# Allegro board FMDEMOD-before-back-annote.brd
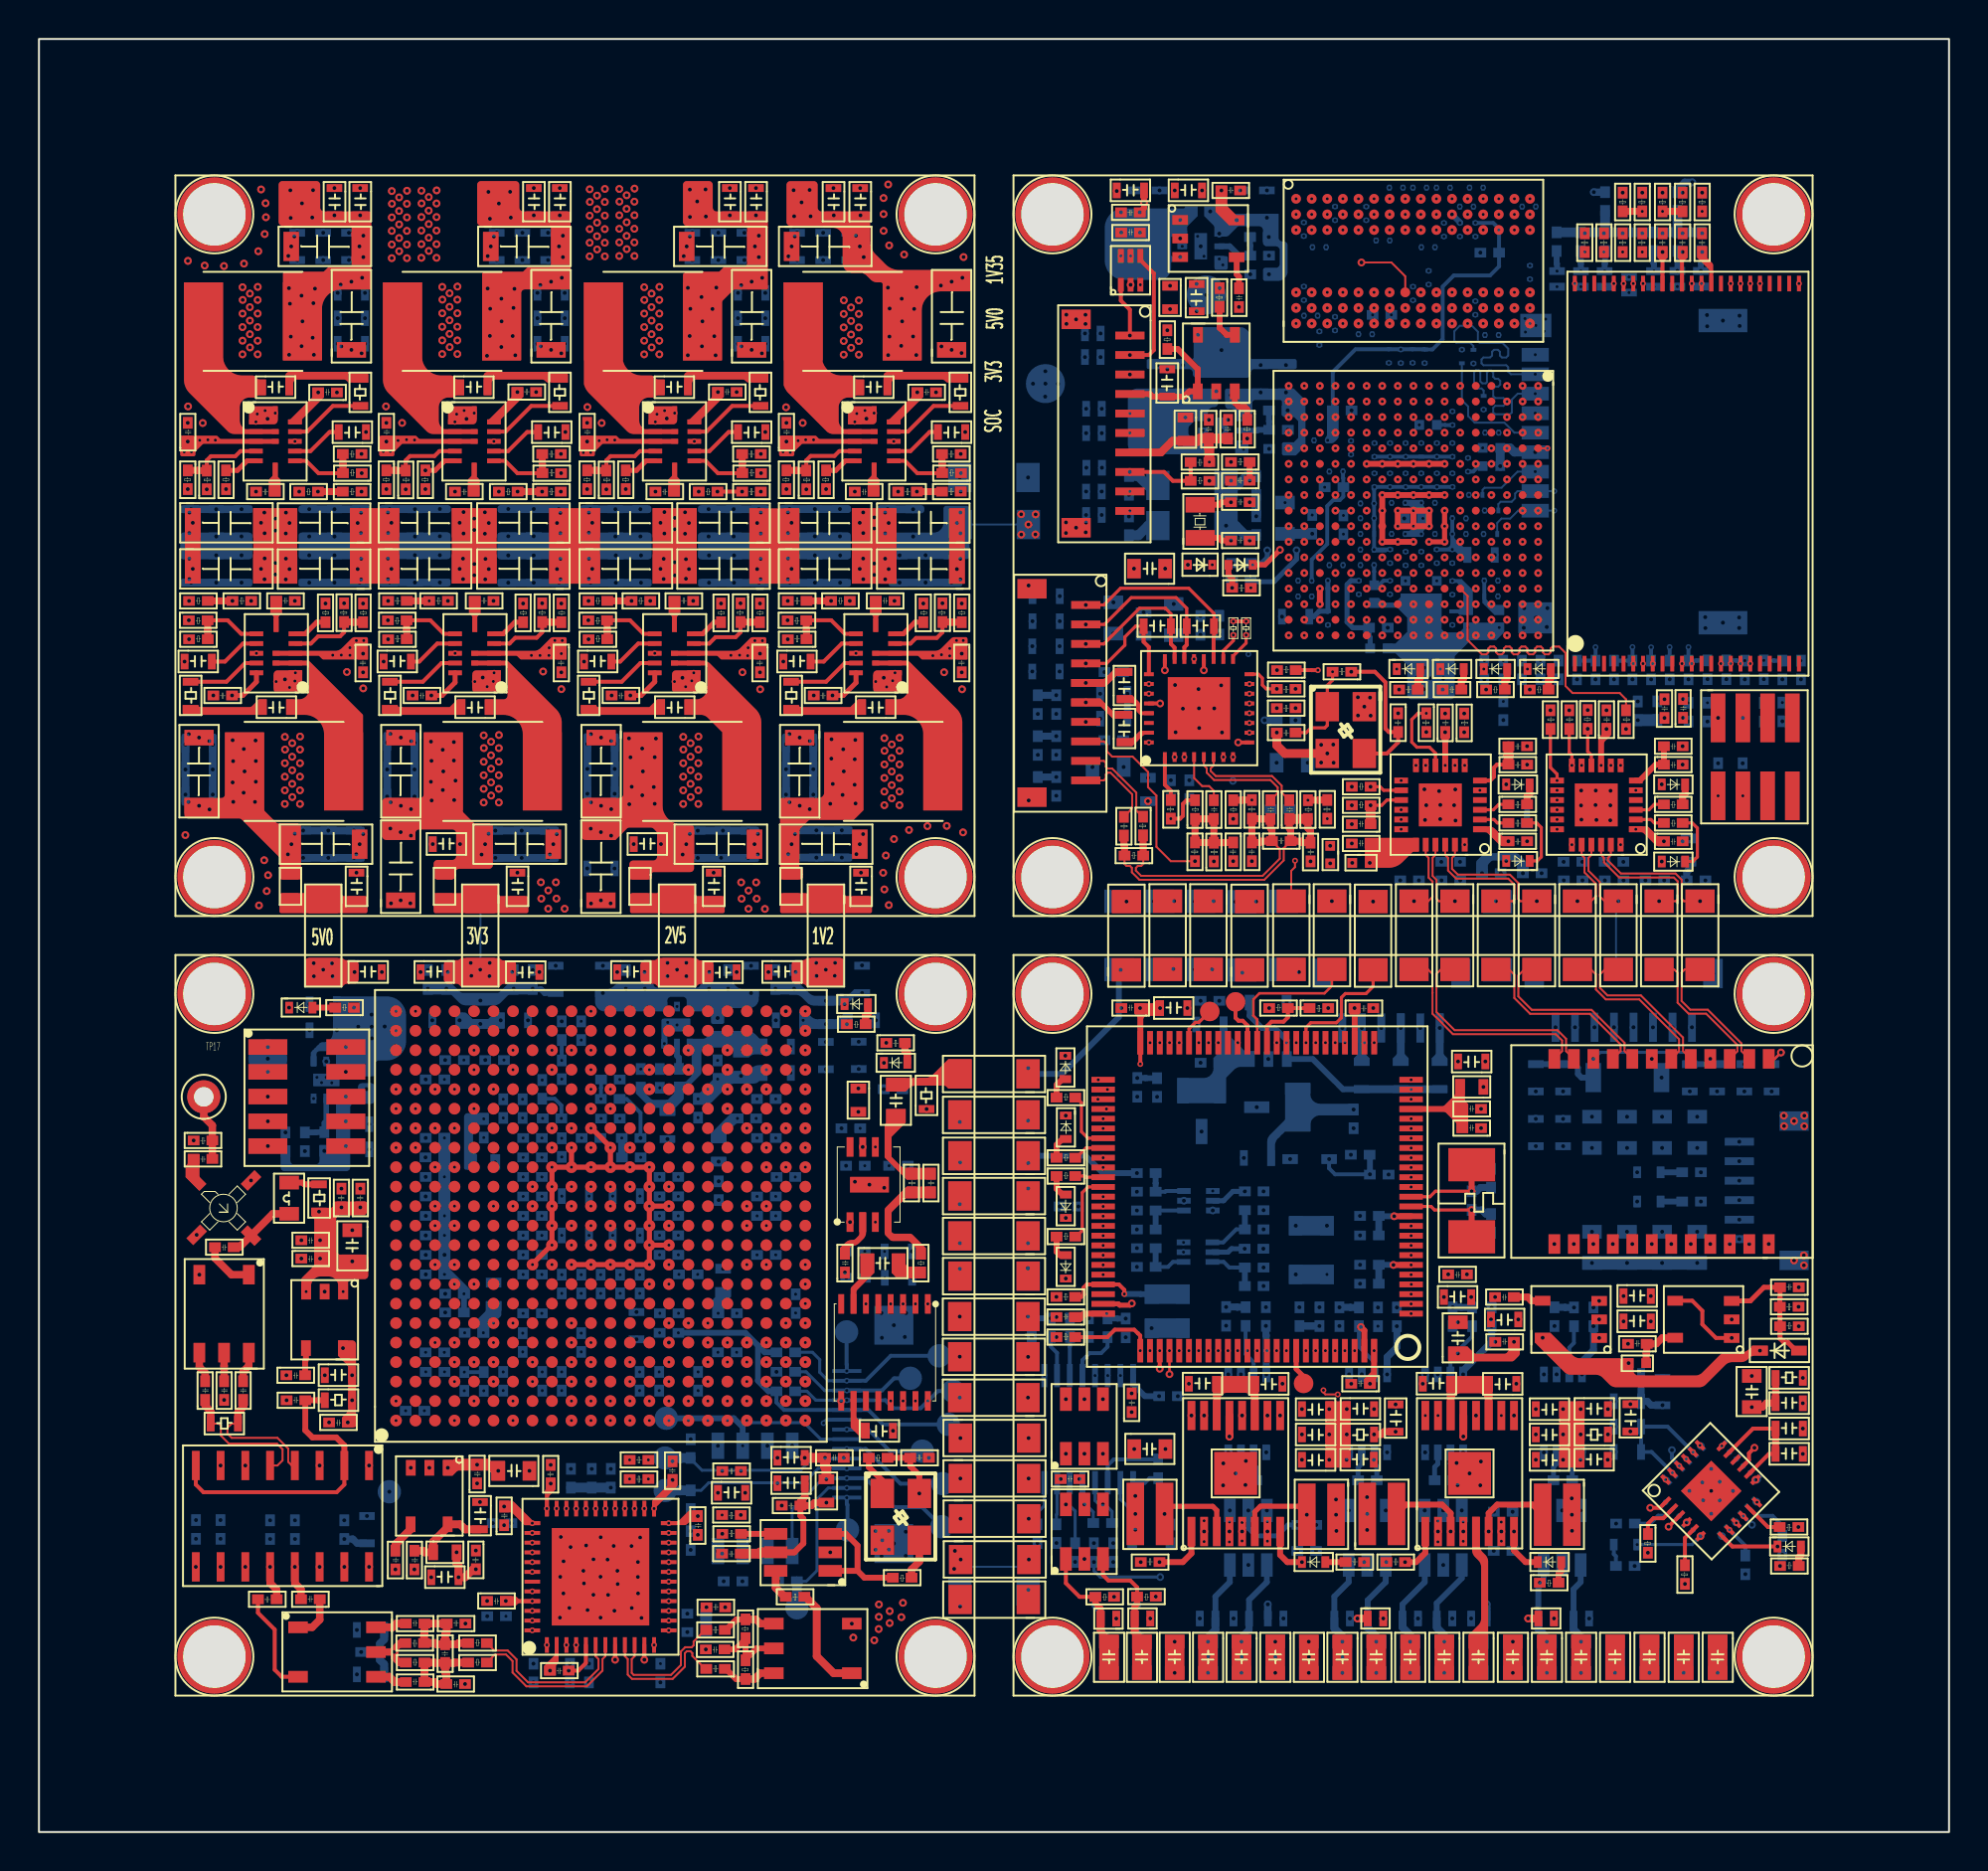
[diagram p0: board, top side]
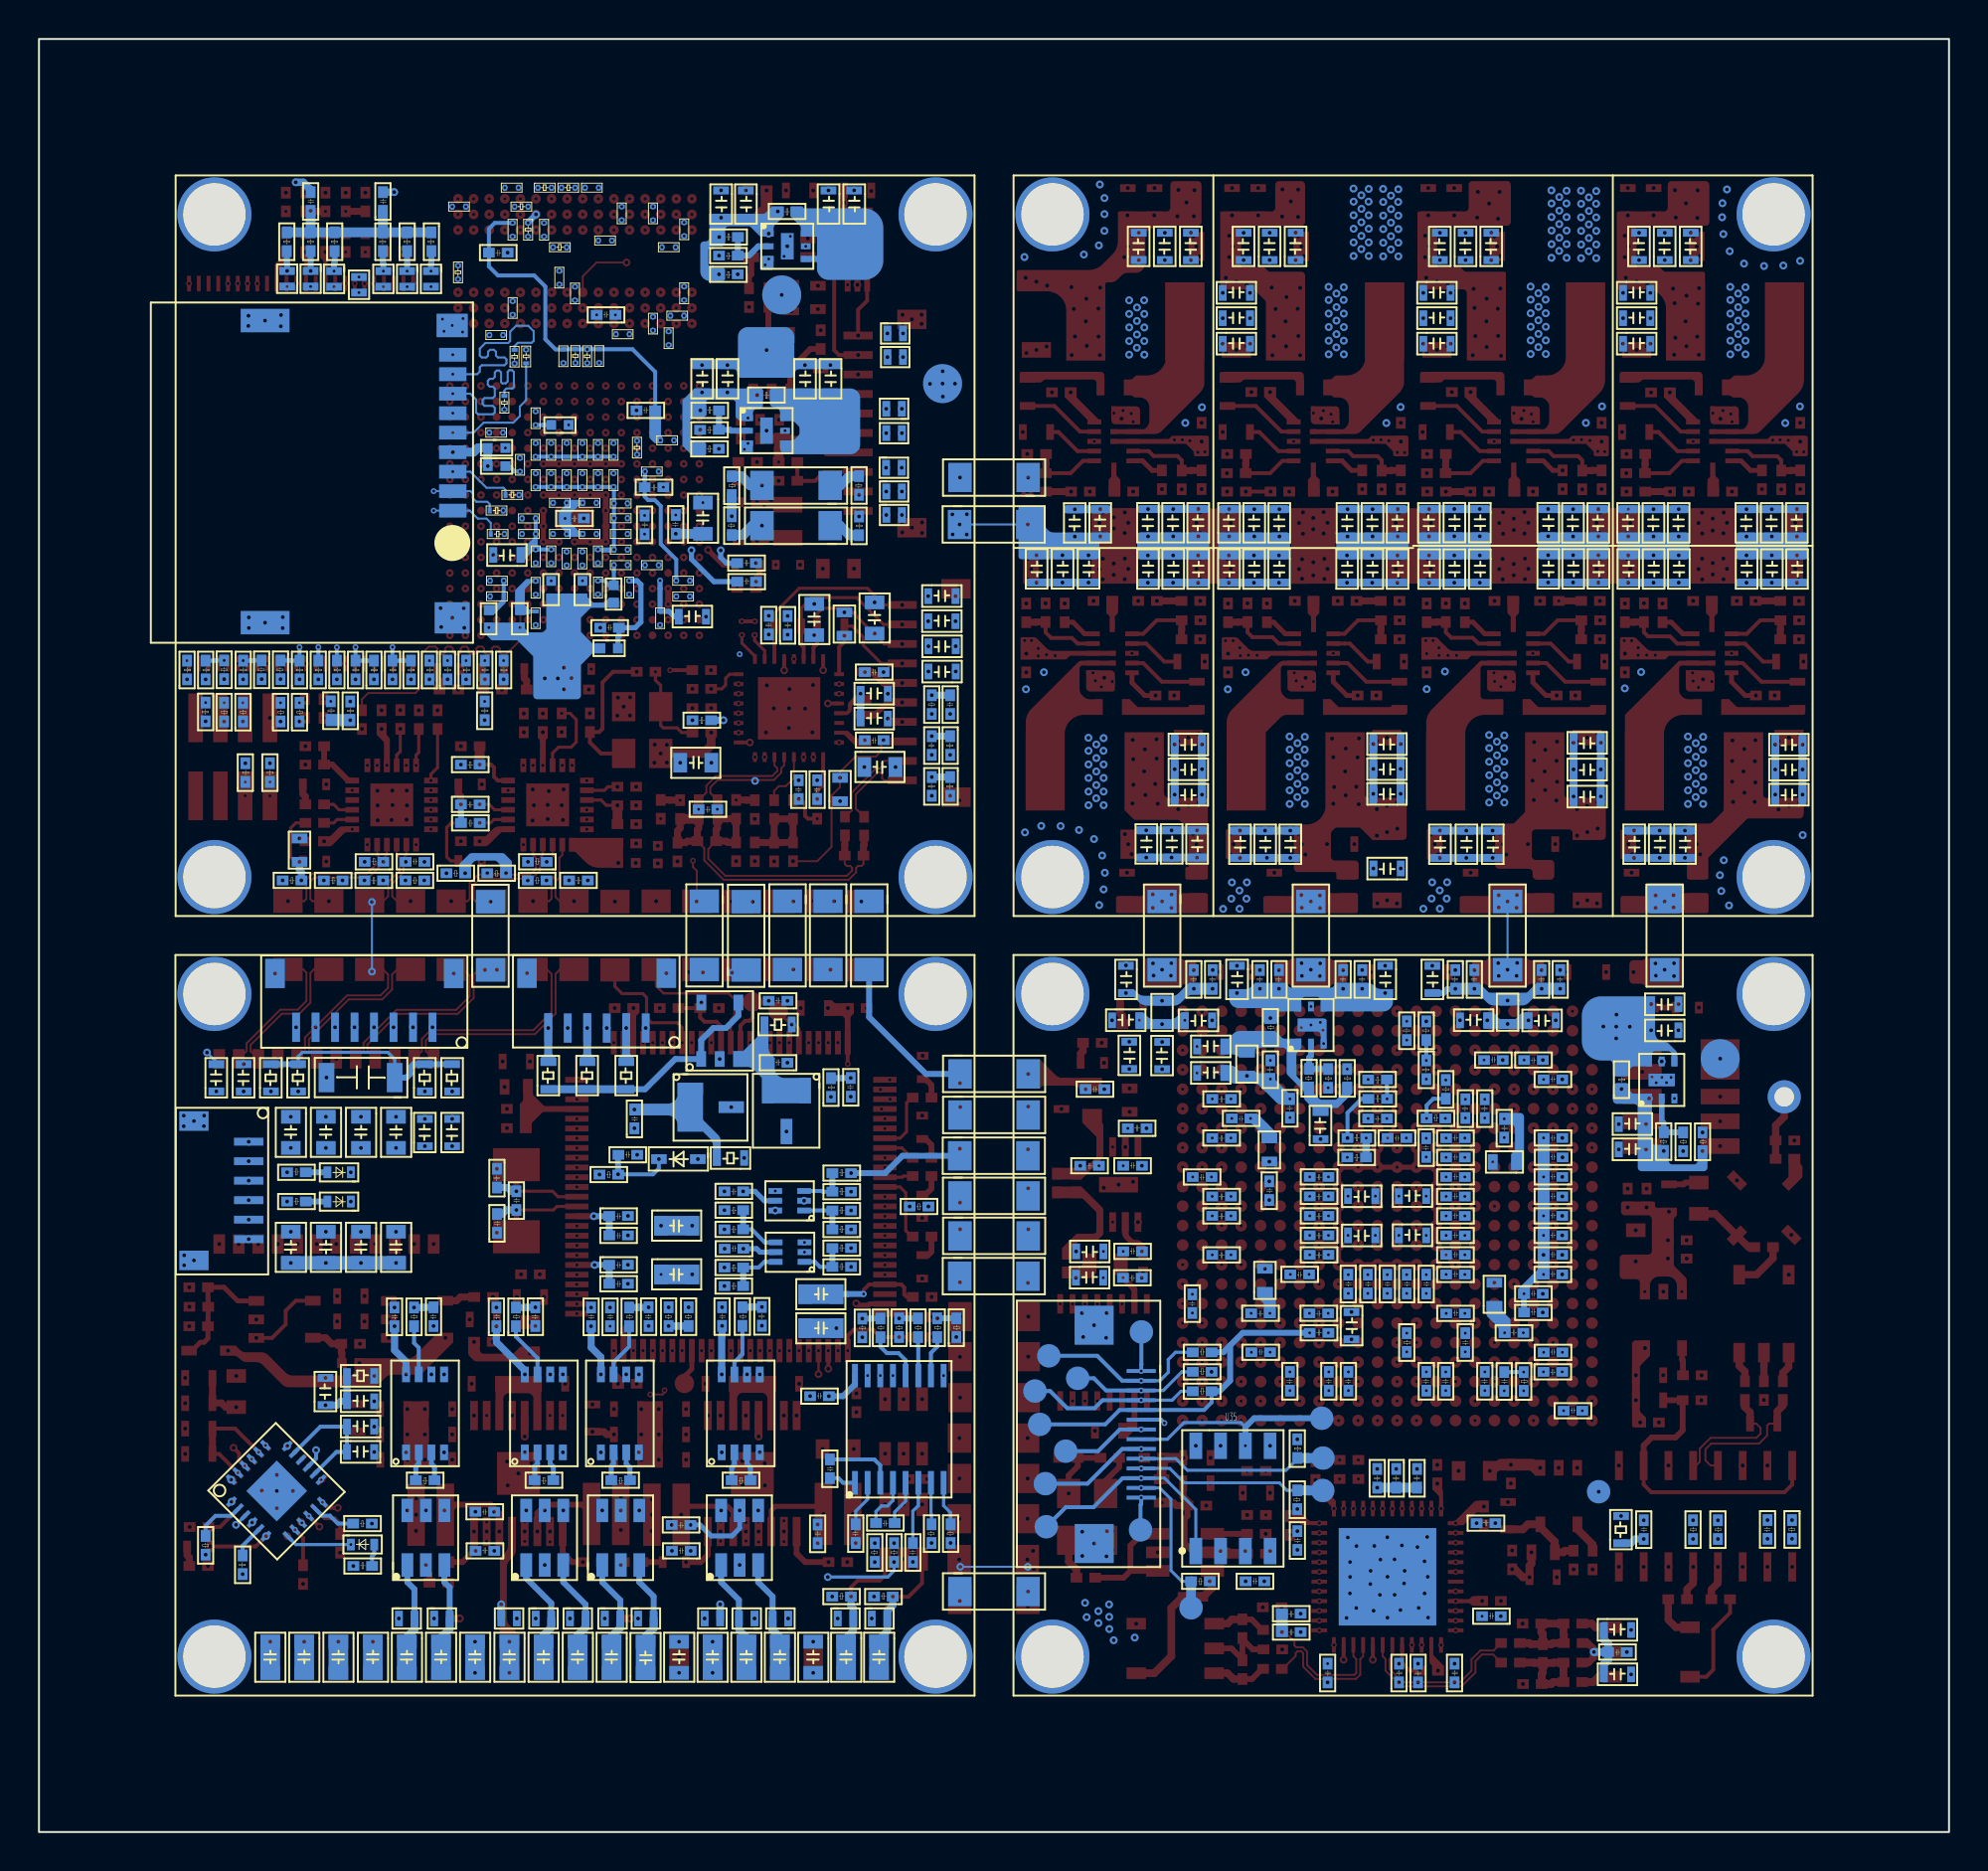
[diagram p1: board, bottom side, seen from below]

Outline 98 x 92 mm; copper layers: TOP, GND-L2, SIGNAL-L3, SIGNAL-L4, GND-L5, PWR-L6, SIGNAL-L7, SIGNAL-L8, GND-L9, BOTTOM. Coordinates in mm from the lower left corner of the outline.
Outline path: rectangle 0,0 98,92

## Design rules (mm)
constraint set DEFAULT: min track width 0.1
net group AIN: nets AIN+ AIN-
net group ARM_ONOFF: nets ARM_ONOFF N7767499
net group BOOT_MODE0: nets BOOT_MODE0 N8015227
net group BOOT_MODE1: nets BOOT_MODE1 N8015335
net group CLK2FPGA: nets CLK2FPGA N7587007
net group CLK_AD: nets CLK_AD+ CLK_AD-
net group CLKO: nets CLKO+ CLKO-
net group CPU_UART3_RXD: nets CPU_UART3_RXD MCU_UART1_TXD
net group CPU_UART3_TXD: nets CPU_UART3_TXD MCU_UART1_RXD
net group DATA0: nets DATA0 N7454523
net group DP1: nets MIC2N_IN MIC2P_IN
net group DP2: nets MIC2N_IN2 MIC2P_IN2
net group E1R+: nets E1R+ ENET1_RXP
net group E1R-: nets E1R- ENET1_RXN
net group E1T+: nets E1T+ ENET1_TXP
net group E1T-: nets E1T- ENET1_TXN
net group E2R+: nets E2R+ ENET2_RXP
net group E2R-: nets E2R- ENET2_RXN
net group E2T+: nets E2T+ ENET2_TXP
net group E2T-: nets E2T- ENET2_TXN
net group ENC: nets ENC+ ENC-
net group ENET1_LED1: nets ENET1_LED1 N4216158
net group ENET1_LED2: nets ENET1_LED2 N4216162
net group ENET1_RX: nets ENET1_RX+ ENET1_RX-
net group ENET1_TX: nets ENET1_TX+ ENET1_TX-
net group ENET1_TX_CLK: nets ENET1_TX_CLK N4219956
net group ENET2_LED1: nets ENET2_LED1 N4226540
net group ENET2_LED2: nets ENET2_LED2 N4226544
net group ENET2_RX: nets ENET2_RX+ ENET2_RX-
net group ENET2_TX: nets ENET2_TX+ ENET2_TX-
net group ENET2_TX_CLK: nets ENET2_TX_CLK N4226762
net group FPGA_SPI2_CS: nets FPGA_SPI2_CS MCU_SPI2_NSS
net group FPGA_SPI2_MISO: nets FPGA_SPI2_MISO MCU_SPI2_MISO
net group FPGA_SPI2_MOSI: nets FPGA_SPI2_MOSI MCU_SPI2_MOSI
net group FPGA_SPI2_SCLK: nets FPGA_SPI2_SCLK MCU_SPI2_SCK
net group HP_L: nets HP_L N6357472
net group HP_R: nets HP_R N6357497
net group LED1: nets LED1 N7455499
net group LED2: nets LED2 N7455557
net group LED3: nets LED3 N7921484
net group M1_I_ADC: nets M1_I_ADC N10404
net group M2_I_ADC: nets M2_I_ADC N11136
net group M3_I_ADC: nets M3_I_ADC N28759
net group M4_I_ADC: nets M4_I_ADC N28731
net group MCU_LED1: nets MCU_LED1 N7936310
net group MCU_LED2: nets MCU_LED2 N7936621
net group MCU_LED3: nets MCU_LED3 N7936920
net group MCU_LED4: nets MCU_LED4 N7937230
net group MG8: nets M4_PWM+ M4_PWM-
net group MG9: nets M3_PWM+ M3_PWM-
net group MG10: nets M2_PWM+ M2_PWM-
net group MG11: nets M1_PWM+ M1_PWM-
net group MIC2: nets MIC2N MIC2P
net group N07800: nets N07800 N07815
net group N08892: nets N08892 N08904
net group N28299: nets N28299 N28303
net group N28307: nets N28307 N28311
net group N7119824: nets N7119824 N7119964
net group N7119928: nets N7119928 N7120000
net group N7578107: nets N7578107 N7578654
net group N7581076: nets N7581076 N7581207
net group N7581083: nets N7581083 N7581229
net group N7586496: nets N7586496 N7586806
net group N7587454: nets N7587454 N7587591
net group N8184327: nets N8184327 N8184405
net group N8185005: nets N8185005 N8185070
net group N8189530: nets N8189530 N8189538
net group N8193321: nets N8193321 N8193329
net group N8193859: nets N8193859 N8193943
net group N8195603: nets N8195603 N8195611
net group N8196141: nets N8196141 N8196225
net group N8196950: nets N8196950 N8196956
net group N8197004: nets N8197004 N8197018
net group N8197074: nets N8197074 N8197078
net group N8197176: nets N8197176 N8197194
net group N8197218: nets N8197218 N8197222
net group N8197320: nets N8197320 N8197338
net group N8197362: nets N8197362 N8197366
net group N8197464: nets N8197464 N8197482
net group OSCIN: nets OSCIN OSCOUT
net group PMIC_ON_REQ: nets N8189916 PMIC_ON_REQ
net group POWER_GOOD: nets N8190068 POWER_GOOD
net group RSSI: nets N7580738 RSSI
net group SPK_LN: nets SPK_LN SPK_LP
net group SPK_RN: nets SPK_RN SPK_RP
net group USB_OTG1_D: nets USB_OTG1_DN USB_OTG1_DP
net group USB_OTG2_D: nets USB_OTG2_DN USB_OTG2_DP
net group XTALI: nets XTALI XTALO
net group 232_TXD: nets 232_TXD N7132401 N7303091 N7304159
net group ADC_DATA_BUS: nets AD3
net group AUDIO_OUT: nets AUDIO_OUT MIC1_IN MIC1P MICBIAS N4966591 N4966598 N4966923 N4971120 N7424382 N7424390 N7424630 N7424654 N7424662
net group CPU_RST_FPGA: nets CPU_RST_FPGA MCU_RST_FPGA N7356169 NRST_FPGA
net group CPU_RST_MCU: nets CPU_RST_MCU FPGA_RST_MCU NRST_MCU
net group CPU_UART2_RXD: nets CPU_UART2_RXD ECSPI3_SCLK FPGA_SPI_SCLK MCU_UART3_RXD N7301618
net group CPU_UART2_TXD: nets CPU_UART2_TXD ECSPI3_CS0 FPGA_SPI_CS MCU_UART3_TXD N7120004
net group CPU_UART4_RXD: nets CPU_UART4_RXD CPU_UART4_RXD_X FPGA_UART2_TXD FPGA_UART_TXD MCU_UART4_RXD N7301693
net group CPU_UART4_TXD: nets CPU_UART4_TXD CPU_UART4_TXD_X FPGA_UART2_RXD MCU_UART4_TXD N7301681
net group ECSPI3_MISO: nets ECSPI3_MISO FPGA_SPI_MISO N7356015
net group ECSPI3_MOSI: nets ECSPI3_MOSI FPGA_SPI_MOSI N7355971
net group FPGA_RST_CPU: nets FPGA_RST_CPU MCU_RST_CPU NRST_CPU
net group LASER_TXD: nets LASER_TXD N7132405 N7132819 N7303177
net group LCD_DATA5: nets LCD_DATA5 LCD_DATA7 N7060523
net group LCD_DATA11: nets LCD_DATA6 LCD_DATA11 N7060478
net group MG4: nets SAI2_BCLK SAI2_MCLK SAI2_RXD SAI2_SYNC SAI2_TXD
net group MG5: nets ENET1_CRS_DV ENET1_RXD0 ENET1_RXD1 ENET1_RXER ENET1_TXD0 ENET1_TXD1 ENET1_TXEN
net group MG6: nets ENET2_CRS_DV ENET2_RXD0 ENET2_RXD1 ENET2_RXER ENET2_TXD0 ENET2_TXD1 ENET2_TXEN
net group MG_DATA0-7: nets D0 D1 D2 D3 D4 D5 D6 D7 DQM0 SDQS0N
net group MG_DATA8-15: nets D8 D9 D10 D11 D12 D13 D14 D15 DQM1 SDQS1P
net group MG_I2S: nets I2S_BCK I2S_DATA I2S_LRCK I2S_SCK
net group MG_SDRAM_ADDRESS: nets BA0 BA1 BA2 CK0P CS0 CS1
net group N4254817: nets N4254817 N4254839 N4254858 N4255061 N4255753
net group N7578935: nets N7578935 N7579108 N7579398
net group N7579488: nets N7579488 N7579492 N7579615 N7579629
net group N7587990: nets N7587990 N7588005 N7588017
net group NG1: nets A0 A1 A2 A3 A4 A5 A6 A7 A8 A9 A10 A11 A12 A13 A14 A15
net group PHY_UART_RX1: nets N7132397 N7303129 N7304177 PHY_UART_RX1
net group PT100-1: nets N57288 PT100-1 PT100-2 PT100-3
net group SD1_CMD: nets SD1_CMD
net group SD1_DATA0: nets SD1_DATA0
net group SD1_DATA1: nets SD1_DATA1
net group SD1_DATA2: nets SD1_DATA2
net group SD1_DATA3: nets SD1_DATA3
net group SDQS1: nets SDQS1N
net group TTL_TXD: nets N7132409 N7132815 N7303150 TTL_TXD
net group VCOM: nets N7581273 N7581277 N7581373 N7581387 VCOM

## Placement (name value [footprint] x y rotation side)
A1  -  [ERA-2SM]  9.47 32.02 315 top
C1  22pF  [C0402]  74.25 30.74 90 bottom
C2  22pF  [C0402]  74.75 34.04 270 bottom
C3  0.1uF  [C0402]  59.59 39.72 0 bottom
C4  0.1uF  [C0402]  59.59 42.9 0 bottom
C5  0.1uF  [C0402]  67.3 35 0 bottom
C6  0.1uF  [C0402]  67.2 36.1 90 bottom
C7  0.01uF  [C0402]  74.7 27.2 0 top
C8  1uF  [C0603]  81.2 27.1 0 top
C9  0.1uF  [C0603]  81.2 25.8 0 top
C10  1uF  [C0603]  76 26.7 180 top
C11  0.1uF  [C0402]  75.69 25.4 180 top
C12  0.1uF  [C0402]  74 37.35 180 top
C13  0.1uF  [C0402]  56.6 38.7 270 bottom
C14  0.1uF  [C0402]  68.45 25.94 90 bottom
C15  0.1uF  [C0402]  53.17 26.67 180 top
C16  0.1uF  [C0402]  68.75 30.36 180 bottom
C17  0.1uF  [C0402]  65.54 15.51 180 bottom
C18  2.2uF  [C0603]  82.3 19.1 180 bottom
C19  10uF  [C0603]  82.9 21.8 90 bottom
C20  0.1uF  [C0603]  82.3 21.7 180 bottom
C21  2.2uF  [C0603]  58.9 22.6 0 top
C22  2.2uF  [C0603]  63.9 23.4 180 top
C23  4.7uF  [C0603]  67 21.3 0 top
C24  4.7uF  [C0603]  66.3 20.8 180 top
C25  0.1uF  [C0603]  66.3 22.1 180 top
C26  0.1uF  [C0603]  66.3 19.5 180 top
C27  2.2uF  [C0603]  82.3 20.4 180 bottom
C28  0.1uF  [C0402]  64.55 14.68 0 bottom
C29  0.1uF  [C0402]  69.42 25.94 90 bottom
C30  0.1uF  [C0402]  61.16 26.95 270 bottom
C31  0.1uF  [C0402]  62.7 25.96 90 bottom
C32  0.1uF  [C0402]  66.97 26.93 270 bottom
C33  0.1uF  [C0402]  74.63 14.68 0 bottom
C34  2.2uF  [C0603]  89 19 0 top
C35  10uF  [C0805]  88.5 21.6 90 top
C36  0.1uF  [C0603]  89 21.6 0 top
C37  2.2uF  [C0603]  75.9 23.4 180 top
C38  2.2uF  [C0603]  89 20.3 0 top
C39  2.2uF  [C0603]  70.9 22.6 0 top
C40  4.7uF  [C0603]  78.3 20.8 180 top
C41  4.7uF  [C0603]  78.3 22.1 180 top
C42  0.1uF  [C0603]  79 21.3 0 top
C43  0.1uF  [C0603]  78.3 19.5 180 top
C44  0.1uF  [C0402]  75.62 16.18 180 bottom
C45  0.1uF  [C0402]  79.51 25.94 90 bottom
C46  0.1uF  [C0402]  74.28 25.94 90 bottom
C47  0.1uF  [C0402]  72.78 26.93 270 bottom
C48  0.1uF  [C0402]  78.01 26.93 270 bottom
C49  0.1uF  [C0402]  82.5 25.3 180 top
C50  0.1uF  [C0402]  90.3 28.2 180 top
C51  0.22uF  [C0201]  70.97 68.35 0 bottom
C52  0.22uF  [C0201]  71.87 65.76 270 bottom
C53  0.22uF  [C0201]  72.56 66.75 0 bottom
C54  0.22uF  [C0201]  70.97 66.75 0 bottom
C55  0.22uF  [C0201]  70.05 68.05 180 bottom
C56  0.1uF  [C0201]  72.67 64.14 270 bottom
C57  0.22uF  [C0201]  72.56 67.55 0 bottom
C58  0.22uF  [C0201]  72.66 65.76 270 bottom
C59  0.1uF  [C0201]  74.21 64.35 0 bottom
C60  0.22uF  [C0201]  69.17 69.06 90 bottom
C61  0.22uF  [C0201]  68.37 69.06 90 bottom
C62  0.22uF  [C0201]  72.37 69.06 90 bottom
C63  0.22uF  [C0201]  68.45 67.26 180 bottom
C64  -  [C0402]  68.23 62.04 0 bottom
C65  0.22uF  [C0201]  67.87 64.16 270 bottom
C66  0.1uF  [C0201]  69.97 65.04 90 bottom
C67  0.1uF  [C0201]  66.86 64.85 180 bottom
C68  -  [C0402]  66.68 66.58 90 bottom
C69  0.22uF  [C0201]  66.28 62.58 270 bottom
C70  22uF  [C0603]  65.28 61.96 180 bottom
C71  0.22uF  [C0201]  66.86 69.66 180 bottom
C72  22uF  [C0402]  66.93 68.75 180 bottom
C73  0.22uF  [C0201]  68.37 70.62 90 bottom
C74  0.22uF  [C0201]  68.25 83.35 270 bottom
C75  0.22uF  [C0201]  74.84 76.66 180 bottom
C76  0.22uF  [C0201]  65.05 82.54 270 bottom
C77  0.22uF  [C0201]  69.97 70.62 90 bottom
C78  0.22uF  [C0201]  69.17 70.62 90 bottom
C79  0.22uF  [C0201]  65.25 63.25 180 bottom
C80  0.22uF  [C0201]  66.07 71.26 180 bottom
C81  10nF/1kV  [C1206]  79.9 39.5 0 bottom
C82  1nF  [C0603]  88.5 37.9 90 bottom
C83  1nF  [C0603]  87.1 37.9 90 bottom
C84  2.2pF  [C0402]  68.41 78.09 0 bottom
C85  1nF  [C0603]  77.8 35.09 90 bottom
C86  2.2pF  [C0201]  65.99 81.17 180 bottom
C87  1nF  [C0603]  76.4 35.09 90 bottom
C88  0.1uF  [C0402]  83.36 54.52 0 top
C89  10uF  [C0402]  83.36 55.46 0 top
C90  0.1uF  [C0402]  72.4 56.42 90 top
C91  0.1uF  [C0402]  78.22 50.03 0 bottom
C92  0.1uF  [C0402]  83.36 50.58 0 top
C93  0.1uF  [C0402]  76.36 52.48 180 bottom
C94  0.1uF  [C0201]  70.95 75.42 90 bottom
C95  0.1uF  [C0201]  69.41 76.03 270 bottom
C96  0.22uF  [C0201]  73.85 82.51 270 bottom
C97  0.22uF  [C0201]  66.65 83.35 270 bottom
C98  0.22uF  [C0201]  69.25 81.51 180 bottom
C99  0.22uF  [C0201]  74.05 84.22 180 bottom
C100  0.22uF  [C0201]  76.15 83.55 0 bottom
C101  0.22uF  [C0201]  72.23 82.51 270 bottom
C102  0.22uF  [C0201]  64.75 78.65 90 bottom
C103  0.22uF  [C0201]  73.55 77.9 90 bottom
C104  0.22uF  [C0201]  66.65 77.69 270 bottom
C105  0.1uF  [C0402]  75.38 54.52 0 top
C106  10uF  [C0402]  75.38 55.46 0 top
C107  0.1uF  [C0402]  80.67 56.59 90 top
C108  0.1uF  [C0402]  68.33 50.97 180 top
C109  0.1uF  [C0402]  75.38 50.59 0 top
C110  0.1uF  [C0402]  68.33 51.96 180 top
C111  0.22uF  [C0201]  65.84 76.95 270 bottom
C112  0.22uF  [C0201]  64.95 77.95 0 bottom
C113  0.22uF  [C0201]  69.93 84.22 180 bottom
C114  0.22uF  [C0201]  68.35 76.7 180 bottom
C115  0.1uF  [C0201]  73.47 70.45 270 bottom
C116  0.1uF  [C0402]  84.6 57.16 90 top
C117  0.1uF  [C0402]  83.65 57.15 90 top
C118  0.1uF  [C0402]  83.05 82.04 270 top
C119  0.1uF  [C0402]  84.08 82.04 270 top
C120  0.1uF  [C0402]  85.08 82.04 270 top
C121  0.1uF  [C0201]  72.37 72.24 90 bottom
C122  18pF  [C0402]  69.48 57.41 270 top
C123  10uF  [C0805]  63.3 55.48 0 bottom
C124  10uF  [C0805]  55.85 54.02 180 bottom
C125  0.1uF  [C0402]  55.64 55.77 180 bottom
C127  10uF  [C0603]  55.95 56.73 180 bottom
C128  18pF  [C0402]  63.5 56.16 0 top
C129  0.1uF  [C0402]  62.13 69.59 180 top
C131  0.1uF  [C0603]  55.95 58 180 bottom
C132  10uF  [C0805]  55.75 63.29 270 bottom
C133  10uF  [C0805]  58.84 63.21 270 bottom
C134  0.1uF  [C0402]  60.81 62.41 270 bottom
C135  1uF  [C0402]  59.27 53.98 270 bottom
C136  0.1uF  [C0402]  55.64 59.27 180 bottom
C137  0.1uF  [C0402]  59.34 61.42 90 bottom
C138  1uF  [C0402]  58.32 53.98 270 bottom
C139  0.1uF  [C0201]  70.77 65.04 90 bottom
C140  18pF  [C0402]  62.13 68.48 180 top
C141  18pF  [C0402]  62.13 66.52 180 top
C145  0.1uF  [C0402]  61.2 64.41 0 bottom
C146  0.1uF  [C0402]  65.58 67.59 270 bottom
C147  10uF  [C0805]  64.55 68.41 270 bottom
C148  0.1uF  [C0402]  61.21 65.36 0 bottom
C149  0.1uF  [C0201]  74.84 71.65 180 bottom
C150  0.1uF  [C0201]  68.45 64.85 180 bottom
C152  0.1uF  [C0201]  69.47 64.16 270 bottom
C153  10uF  [C0402]  80.1 83.17 90 bottom
C154  0.1uF  [C0402]  83.81 83.17 90 bottom
C158  10uF  [C0603]  59.8 77.93 90 top
C162  10uF  [C0603]  58.29 73.55 90 top
C166  0.1uF  [C0402]  59.77 72.47 270 top
C167  10uF  [C0402]  60.76 72.47 270 top
C174  0.1uF  [C0402]  56.5 82.32 180 top
C175  1uF  [C0402]  60.53 51.97 90 top
C176  220pF  [C0402]  61.02 50.78 270 top
C177  33pF  [C0402]  65.49 49.79 90 top
C178  0.1uF  [C0402]  57.46 22.61 0 bottom
C179  100nF  [C0402]  64.4 51.97 90 top
C180  0.1uF  [C0402]  57.17 18.15 90 bottom
C181  0.1uF  [C0402]  56.34 15.8 270 bottom
C182  33pF  [C0402]  64.23 51.09 180 top
C183  10uF  [C0402]  64.17 52.23 180 bottom
C184  0.1uF  [C0402]  55.06 15.6 180 bottom
C185  0.1uF  [C0402]  53.41 14.83 270 bottom
C186  15pF/50V  [C0603]  50.87 59.95 0 bottom
C187  15pF/50V  [C0603]  50.87 61.24 0 bottom
C188  100nF  [C0402]  63.44 51.97 90 top
C189  33pF  [C0402]  61.98 50.78 270 top
C190  10uF  [C0603]  56.1 58.03 90 top
C191  15pF/50V  [C0603]  56.58 61.47 0 top
C192  10uF  [C0603]  56.1 55.82 90 top
C193  15pF/50V  [C0603]  58.79 61.47 0 top
C194  0.1uF  [C0402]  62.84 32.62 180 bottom
C195  220pF  [C0402]  52.44 56.24 270 bottom
C196  15pF/50V  [C0603]  52.48 63.01 180 bottom
C197  15pF/50V  [C0603]  52.48 61.73 180 bottom
C198  220pF  [C0402]  51.5 58.34 270 bottom
C199  0.1uF  [C0402]  61.85 30.18 0 bottom
C200  10uF  [C0603]  34.74 17 0 top
C201  0.1uF  [C0402]  35.05 18.28 0 top
C202  8.2pF  [C0402]  20.89 7.34 0 top
C203  0.1uF  [C0402]  35.22 11.78 180 top
C204  8.2pF  [C0402]  20.59 9.64 270 top
C205  8.2pF  [C0402]  21.89 10.94 180 top
C206  2.2uF  [C0402]  17.5 8.98 180 bottom
C207  1uF  [C0402]  19.79 7.94 180 top
C208  1uF  [C0402]  19.79 10.94 180 top
C209  0.1uF  [C0402]  9.02 29.76 0 top
C210  0.1uF  [C0402]  34.2 9.12 0 top
C211  0.1uF  [C0402]  16.24 33.02 270 top
C212  0.1uF  [C0402]  15.27 33.02 270 top
C213  0.1uF  [C0402]  7.92 34.29 0 top
C214  0.1uF  [C0402]  35.04 14.03 0 top
C215  0.1uF  [C0402]  45.67 19.45 180 top
C216  10uF  [C0603]  26.91 44.55 270 bottom
C218  10uF  [C0603]  20.08 42.05 0 bottom
C219  0.1uF  [C0402]  22.89 39.86 0 bottom
C220  0.1uF  [C0402]  34.83 24.87 0 bottom
C221  0.1uF  [C0402]  31.07 23.62 270 bottom
C222  0.1uF  [C0402]  27.07 23.62 270 bottom
C223  0.1uF  [C0402]  26.07 23.62 270 bottom
C224  0.1uF  [C0402]  24.07 23.62 270 bottom
C225  0.1uF  [C0402]  20.82 23.36 180 bottom
C226  0.1uF  [C0402]  18.8 21.87 0 bottom
C227  0.1uF  [C0402]  32.07 23.62 270 bottom
C228  0.1uF  [C0402]  34.07 23.62 270 bottom
C229  10uF  [C0603]  20.03 12.67 0 top
C230  0.1uF  [C0402]  22.17 14.45 270 top
C231  10uF  [C0805]  25.36 19.15 180 top
C232  0.1uF  [C0402]  22.73 17.88 90 top
C233  0.1uF  [C0402]  19.51 13.47 90 top
C234  10uF  [C0603]  22.23 17.03 270 top
C237  10uF  [C0603]  38.68 38.55 180 bottom
C238  0.1uF  [C0402]  35.07 39.6 270 bottom
C239  0.1uF  [C0402]  31.83 25.86 0 bottom
C240  0.1uF  [C0402]  24.57 24.63 90 bottom
C241  0.1uF  [C0402]  25.06 37.61 270 bottom
C242  0.1uF  [C0402]  24.07 37.61 270 bottom
C243  0.1uF  [C0402]  34.07 37.62 270 bottom
C244  0.1uF  [C0402]  24.83 26.86 0 bottom
C248  0.01uF  [C0402]  18.54 13.47 90 top
C250  10uF  [C0603]  43.04 41.25 180 bottom
C251  0.1uF  [C0402]  39 44.24 270 bottom
C252  10uF  [C0603]  37.71 42.05 0 bottom
C253  0.1uF  [C0402]  34.63 32.42 90 bottom
C254  0.1uF  [C0402]  28.81 35.36 180 bottom
C255  0.1uF  [C0402]  24.83 35.86 0 bottom
C256  0.1uF  [C0402]  32.81 33.36 180 bottom
C257  0.1uF  [C0402]  24.83 32.86 0 bottom
C258  0.1uF  [C0402]  24.83 34.86 0 bottom
C259  0.1uF  [C0402]  24.83 31.86 0 bottom
C260  0.1uF  [C0402]  24.83 30.86 0 bottom
C261  0.1uF  [C0402]  26.57 27.63 90 bottom
C262  0.1uF  [C0402]  27.57 27.63 90 bottom
C267  10uF  [C0603]  42.46 40.65 270 bottom
C268  0.1uF  [C0402]  44.31 37.86 180 bottom
C269  10uF  [C0603]  44.9 28.04 180 bottom
C270  0.1uF  [C0402]  41.4 34.44 0 bottom
C277  0.1uF  [C0402]  21.83 25.87 0 bottom
C278  0.1uF  [C0402]  35.82 26.37 180 bottom
C279  0.1uF  [C0402]  22.57 35.62 90 bottom
C280  0.1uF  [C0402]  36.81 36.36 180 bottom
C287  0.1uF  [C0402]  46.01 32.81 90 top
C288  10uF  [C0603]  37.79 18.8 0 top
C289  0.1uF  [C0402]  41.3 19.45 180 top
C290  10uF  [C0603]  37.79 17.5 0 top
C291  0.1uF  [C0402]  38.1 16.5 0 top
C292  0.1uF  [C0402]  42.39 28.19 180 bottom
C293  10uF  [C0805]  44.59 36.54 90 top
C294  10uF  [C0603]  43.92 20.99 180 top
C295  0.1uF  [C0402]  41.6 28.7 90 top
C296  10uF  [C0805]  42.3 28.56 0 top
C298  0.1uF  [C0402]  41.16 36.36 0 bottom
C306  0.1uF  [C0603]  12.98 58.12 180 top
C307  22uF/50V  [C1206]  8.04 64.02 0 top
C308  0.1uF/25V  [C0603]  14.27 65.61 270 bottom
C310  22uF/25V  [C1206]  7.42 56 270 top
C311  0.1uF  [C0402]  61.64 84.48 180 top
C312  10uF  [C0603]  58.17 83.83 0 top
C313  0.1uF/25V  [C0603]  7.42 56.2 0 bottom
C314  22uF/25V  [C1206]  16.3 51.48 180 top
C315  10uF  [C0603]  55.2 83.83 0 top
C316  0.1uF  [C0402]  55.51 82.86 0 top